# Altium PCB CAN_ESP.PcbDoc
Units mil, origin at the board's own origin, x right, y up, seen from the top; angles counter-clockwise.
Board outline 2933.07 x 1287.4 mil, 2 copper layers (Top Layer, Bottom Layer), stack 43.307 mil thick; 71 components, 69 nets, 346 pads, 0 vias.
Unrouted connection lines stored in the file: 208.
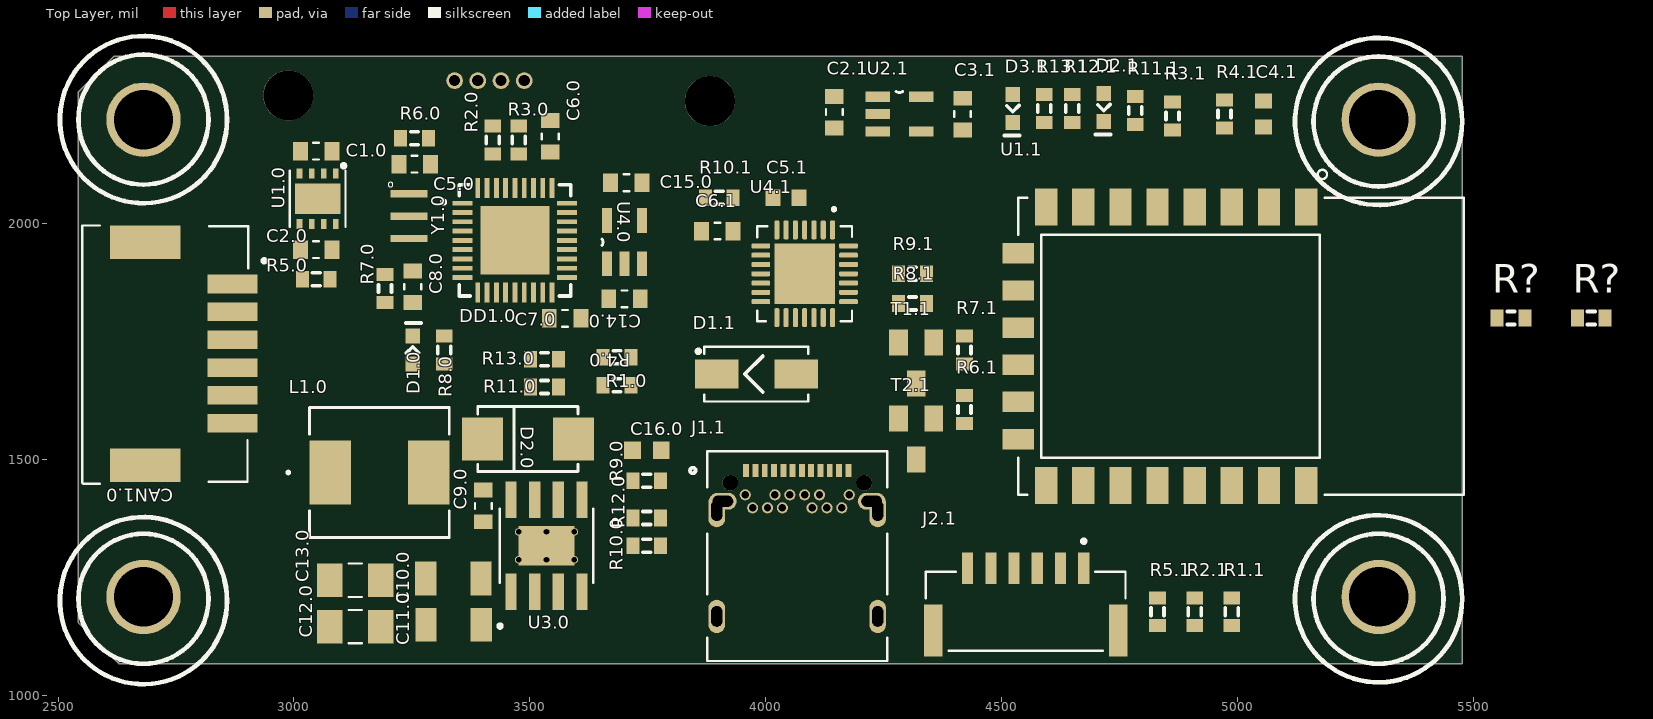
[diagram p0: Top Layer view]
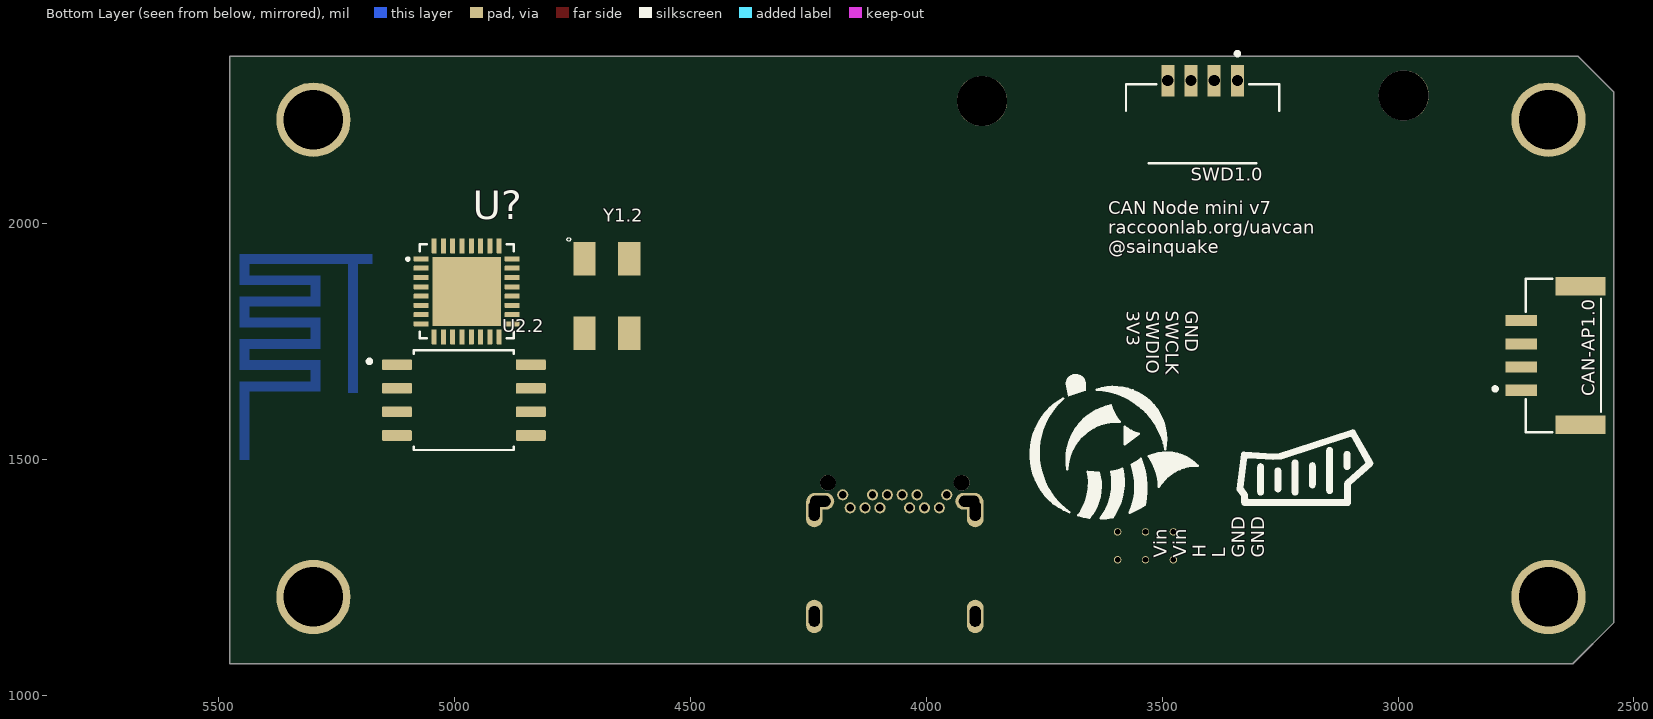
[diagram p1: Bottom Layer view, seen from below]

## Layer stack, top to bottom
Top Solder: solder mask 0.4, Solder Resist, Dk 3.5
Top Layer: signal copper 1.9685
Dielectric 1: dielectric 39.3701, FR-4, Dk 4.8
Bottom Layer: signal copper 1.9685
Bottom Solder: solder mask 0.4, Solder Resist, Dk 3.5

## Board outline
2543.31,1153.54 2543.31,2279.53 2618.11,2354.33 5476.38,2354.33 5476.38,1066.93 4334.65,1066.93 2629.92,1066.93

## Design rules (kind name [scope] priority, off if disabled: settings)
BoardOutlineClearance [All] p1: gap=9.84 ignorepadtopadclearanceinfootprint=FALSE
Clearance [All] p1: gap=6.69 ignorepadtopadclearanceinfootprint=FALSE
ComponentClearance [All] p1: gap=10 collisioncheckmode=3 verticalgap=100000 showdistances=FALSE
FanoutControl Fanout_SOIC [IsSOIC] p3: bgadir=Out bgaviamode=Closest fanoutstyle=Auto fanoutdirection=Alternating viagrid=1 // Fanout_SOIC (Default Rule)
FanoutControl Fanout_Small [(CompPinCount < 5)] p4: bgadir=Out bgaviamode=Closest fanoutstyle=Auto fanoutdirection=OutThenIn viagrid=1 // Fanout_Small (Default Rule)
FanoutControl Fanout_Default [All] p5: bgadir=In bgaviamode=Closest fanoutstyle=Auto fanoutdirection=Alternating viagrid=1 // Fanout_Default (Default Rule)
HoleSize [All] p1: absolutevalues=TRUE maxlimit=177.17 minlimit=11.81 maxpercent=80.000 minpercent=20.000
HoleToHoleClearance [All] p1: gap=15.75 allowstackedmicrovias=TRUE
MinimumSolderMaskSliver [All] p1: minsoldermaskwidth=5.91
PlaneClearance [All] p1: clearance=7.87
PlaneConnect [All] p1: planeconnectstyle=Relief reliefexpansion=19.68 reliefentries=4 reliefconductorwidth=7.87 reliefairgap=9.84
PolygonConnect PolygonConnect_1 [InNet('GND')] p1: connectstyle=Direct reliefconductorwidth=10 reliefentries=4 polygonreliefangle="90 Angle" airgapwidth=10
PolygonConnect [All] p2: connectstyle=Relief reliefconductorwidth=11.81 reliefentries=4 polygonreliefangle="90 Angle" airgapwidth=6.3
RoutingCorners [All] p1: cornerstyle=45-Degree minsetback=98.43 maxsetback=98.43
RoutingPriority [All] p1 off: routingpriority=0
RoutingVias [All] p1: holewidth=11.81 width=27.56 viastyle="Through Hole" minholewidth=11.81 minwidth=27.56 maxholewidth=31.5 maxwidth=47.24
SilkToSilkClearance [All] p1: silktosilkclearance=0
SilkToSolderMaskClearance [IsPad] p1: minsilkscreentomaskgap=0 clearancetoexposedcopper=TRUE
SolderMaskExpansion [All] p1: expansion=3.94
Width [All] p1: maxlimit=196.85 minlimit=6.69 preferedwidth=11.81
17 further rules are at their usual default settings.

## Classes and differential pairs
component class sESP: R? U1.2 U2.2 U? Y1.2
component class ESP8266: C2.1 C3.1 C4.1 C5.1 C6.1 D1.1 D2.1 D3.1 J1.1 J2.1 R1.1 R2.1 R3.1 R4.1 R5.1 R6.1 R7.1 R8.1 R9.1 R10.1 R11.1 R12.1 R13.1 T1.1 T2.1 U1.1 U2.1 U4.1
component class CAN_ESP: C1.0 C2.0 C5.0 C6.0 C7.0 C8 C8.0 C9 C9.0 C10.0 C11.0 C12.0 C13.0 C14.0 C15.0 C16.0 CAN1.0 CAN-AP1.0 D1.0 D2.0 DD1.0 L1.0 R1.0 R2.0 R3.0 R4.0 R5.0 R6.0 R7.0 R8.0 R9.0 R10.0 R11.0 R12.0 R13.0 SWD1.0 U1.0 U3 U3.0 U4.0 Y1.0

## Components (designator, comment, footprint, x,y, rotation, side; value= is the part's Value field where it differs from the comment)
C1.0 "GX035C104MAT2-500" *CAPC1608X90 3047.24,2153.54 r0 top value=0.1u
C2.0 "GX035C104MAT2-500" *CAPC1608X90 3047.24,1944.88 r0 top value=0.1u
C2.1 "GX035C104MAT2-500" *CAPC1608X90 4145.67,2236.22 r90 top value=0.1u
C3.1 "GX035C104MAT2-500" *CAPC1608X90 4417.32,2232.28 r270 top value=0.1u
C4.1 "Cap Semi" 1608[0603] 5055.12,2232.28 r90 top value=1u
C5.0 "GX035C104MAT2-500" *CAPC1608X90 3255.91,2125.98 r180 top value=0.1u
C5.1 "Cap Semi" 1608[0603] 4043.31,2055.12 r0 top value=1u
C6.0 "GX035C104MAT2-500" *CAPC1608X90 3543.31,2185.04 r270 top value=0.1u
C6.1 "GX035C104MAT2-500" *CAPC1608X90 3897.64,1984.25 r180 top value=0.1u
C7.0 "GX035C104MAT2-500" *CAPC1608X90 3574.8,1799.21 r180 top value=0.1u
C8.0 "GX035C104MAT2-500" *CAPC1608X90 3251.97,1866.14 r270 top value=0.1u
C9.0 "GX035C104MAT2-500" *CAPC1608X90 3401.57,1401.57 r270 top value=0.1u
C10.0 "GRM31CR71H225KA88L" *CAP3216X125N 3337.99,1248.03 r180 top value=2.2u
C11.0 "GRM31CR71H225KA88L" *CAP3216X125N 3338.58,1149.61 r180 top value=2.2u
C12.0 "GRM31CR61A476KE15L" *CAPC3216X125N 3129.92,1145.67 r180 top value=47u
C13.0 "GRM31CR61A476KE15L" *CAPC3216X125N 3129.92,1244.09 r180 top value=47u
C14.0 "GX035C104MAT2-500" *CAPC1608X90 3700.79,1840.43 r180 top value=0.1u
C15.0 "GX035C104MAT2-500" *CAPC1608X90 3704.72,2086.61 r0 top value=0.1u
C16.0 "GRM188R71C105KA12D" CAPC1608X90N 3748.03,1519.68 r180 top value=1u
CAN1.0 "502585-0670" MOLEX_502585-0670 2862.2,1724.41 r270 top
CAN-AP1.0 "SM04B-GHS-TB(LF)(SN)-" JST_SM04B-GHS-TB(LF)(SN)- 2649.61,1720.47 r90 bottom
D1.0 "0603-LED-BLUE" *LEDM1608X80_LTE-C1906R-14(Primary) 3251.97,1732.28 r270 top
D1.1 "SS16" *DIOM5227X250N_SS16(Primary) 3980.31,1681.1 r0 top
D2.0 "SK56" *SMB_P6SMB62AT3G(Primary) 3496.06,1543.31 r180 top
D2.1 "0603-LED-BLUE" *LEDM1608X80_LTE-C1906R-14(Primary) 4716.54,2246.06 r90 top
D3.1 "0603-LED-BLUE" *LEDM1608X80_LTE-C1906R-14(Primary) 4523.62,2244.09 r90 top
DD1.0 "STM32F103T8" *QFN50P600X600X100-37N 3468.5,1964.57 r0 top
J1.1 "UJ31-CH-31N-SMT-TR" CUI_UJ31-CH-31N-SMT-TR 3958.66,1476.77 r0 top
J2.1 "BM06B-GHS-TBT(LF)(SN)(N)" *JST_BM06B-GHS-TBT(LF)(SN)(N)_BM06B-GHS-TBT(LF)(SN)(N)(Primary) 4551.18,1137.8 r0 top
L1.0 "IHLP2525CZER8R2M01" *IND_IHLP_2525_CZ 3181.1,1472.44 r0 top value=8.2u
R1.0 "Res3" J1-0603 3685.04,1716.54 r0 top value=180k
R1.1 "Res3" J1-0603 4988.19,1177.17 r270 top value=10k
R2.0 "Res3" J1-0603 3421.26,2177.17 r90 top value=4.7k
R2.1 "Res3" J1-0603 4909.45,1177.17 r270 top value=10k
R3.0 "Res3" J1-0603 3476.38,2177.17 r90 top value=4.7k
R3.1 "Res3" J1-0603 4862.2,2228.35 r90 top value=10k
R4.0 "Res3" J1-0603 3685.04,1657.48 r180 top value=10k
R4.1 "Res3" J1-0603 4972.44,2232.28 r90 top value=10k
R5.0 "Res3" J1-0603 3047.24,1881.89 r0 top value=120
R5.1 "Res3" J1-0603 4830.71,1177.17 r270 top value=10k
R6.0 "RC0603FR-0710KL" J1-0603 3255.91,2181.1 r0 top value=10k
R6.1 "Res3" J1-0603 4421.26,1606.3 r270 top value=10k
R7.0 "RC0603FR-0710KL" J1-0603 3192.91,1862.2 r90 top value=10k
R7.1 "Res3" J1-0603 4421.26,1732.28 r90 top value=10k
R8.0 "Res3" J1-0603 3318.9,1732.28 r270 top value=330
R8.1 "Res3" J1-0603 4311.02,1830.71 r180 top value=330
R9.0 "Res3" J1-0603 3748.03,1454.72 r0 top value=56k
R9.1 "Res3" J1-0603 4311.02,1893.7 r180 top value=330
R10.0 "Res3" J1-0603 3748.03,1316.93 r180 top value=56k
R10.1 "Res3" J1-0603 3901.57,2055.12 r0 top value=4.7k
R11.0 "RC0603FR-0710KL" J1-0603 3531.5,1653.54 r0 top value=10k
R11.1 "Res3" J1-0603 4783.46,2240.16 r90 top value=330
R12.0 "RC0603FR-0710KL" J1-0603 3748.03,1375.98 r180 top value=10k
R12.1 "Res3" J1-0603 4649.61,2244.09 r90 top value=330
R13.0 "RC0603FR-0710KL" J1-0603 3531.5,1712.6 r180 top value=10k
R13.1 "Res3" J1-0603 4590.55,2244.09 r90 top value=330
R? "RC0603FR-0710KL" J1-0603 5750,1800 r0 top value=10k
R? "Res3" J1-0603 5580,1800 r0 top value=330
SWD1.0 "BM04B-GHS-TBT(LF)(SN)(N)" JST_BM04B-GHS-holes 3414.37,2171.26 r180 bottom
T1.1 "BC847" SOT23 4318.9,1704.72 r180 top
T2.1 "BC847" SOT23 4318.9,1543.31 r180 top
U1.0 "TJA1042" SOT782-1 3050.2,2052.66 r180 top
U1.1 "ESP8266-12E/ESP-12E" XCVR_ESP8266-12E/ESP-12E 4870.08,1740.16 r270 top
U2.1 "SPX3819M5-L-3-3/TR" *SOT95P280X145-5N 4283.46,2232.28 r0 top value=3V3
U2.2 "W25Q16BVSSIG" SOIC127P790X216-8N 4980.31,1625.98 r180 bottom
U3.0 "LMR16030SDDAR" "*SOIC127P600X170-9N - duplicate" 3535.43,1316.93 r90 top
U4.0 "SPX3819M5-L-3-3/TR" *SOT95P280X145-5N 3700.78,1960.63 r90 top value=3V3
U4.1 "CP2102N-A01-GQFN28" QFN50P500X500X80-29N 4082.68,1893.7 r270 top
U? "ESP8266EX" QFN50P500X500X80-33N 4974.41,1856.3 r180 bottom
Y1.0 "CSTCE8M00G55-R0" *OSC_CSTCE8M00G55-R0 3244.09,2015.75 r270 top
Y1.2 "ABM3B-8.000MHZ-B2-T" OSCSC500X320X110-4N 4677.17,1846.46 r180 bottom

## Footprints (in the part's own frame and the unit in brackets; to place one, negate y for a bottom-side part, rotate by r counter-clockwise, add the part's x,y. Pads: shape width x height; smd on the part's side, far side on the other; paste and mask are expansions set on the pad)
1608[0603] [mm] "Chip Capacitor, Body 1.6x0.8mm, IPC High Density"
  rect 0.8x0.9 smd: 1(-0.7,0) 2(0.7,0)
  body extent -0.87,-0.48 0.87,0.48, height 1.3
*CAP3216X125N [mm]
  rect 1.15x1.82 smd: 1(-1.485,0) 2(1.485,0)
  body extent -1.6,-0.8 1.6,0.8, height 1.22
*CAPC1608X90 [mm]
  rect 0.8x1 smd: 1(-0.85,0) 2(0.85,0)
  silkscreen extent -0.15,-0.45 0.15,0.45, body extent -0.8,-0.4 0.8,0.41, height 0.88
*CAPC3216X125N [mm]
  rect 1.38x1.82 smd: 1(-1.369,0) 2(1.369,0)
  silkscreen extent -0.36,-0.9 0.36,0.9, body extent -1.6,-0.87 1.6,0.87, height 1.71
*DIOM5227X250N_SS16(Primary) [mm]
  rect 2.33x1.56 smd: A(2.14,0) C(-2.14,0)
  silkscreen extent -3.22,-1.48 2.8,1.48, body extent -2.61,-1.35 2.61,1.25, height 2.2
*IND_IHLP_2525_CZ [mil]
  rect 88x135 smd: 1(-104.5,0) 2(104.5,0)
  silkscreen extent -196,-138 148,138, body extent -140,-130 140,130, height 118
*JST_BM06B-GHS-TBT(LF)(SN)(N)_BM06B-GHS-TBT(LF)(SN)(N)(Primary) [mm]
  rect 0.6x1.7 smd: 1(3.125,3.35) 2(1.875,3.35) 3(0.625,3.35) 4(-0.625,3.35) 5(-1.875,3.35) 6(-3.125,3.35)
  rect 1x2.8 smd: S1(-4.975,0) S2(4.975,0)
  silkscreen extent -5.38,-1.1 5.38,4.9, body extent -5.38,-1.1 5.38,3.85, height 3.88
*LEDM1608X80_LTE-C1906R-14(Primary) [mm]
  rect 0.8x0.8 smd: A(0.75,0) C(-0.75,0)
  silkscreen extent -1.45,-0.38 0.16,0.45, body extent -0.8,-0.3 0.8,0.3, height 1.15
*OSC_CSTCE8M00G55-R0 [mm]
  rect 0.4x2 smd: 1(-1.2,0) 2(0,0) 3(1.2,0)
  silkscreen extent -1.83,-1.13 -1.57,-0.87, body extent -1.6,-0.65 1.6,0.65, height 1
*QFN50P600X600X100-37N [mm]
  rect 1.08x0.26 smd: 1(-2.815,2) 2(-2.815,1.5) 3(-2.815,1) 4(-2.815,0.5) 5(-2.815,0) 6(-2.815,-0.5) 7(-2.815,-1) 8(-2.815,-1.5) 9(-2.815,-2) 19(2.815,-2) 20(2.815,-1.5) 21(2.815,-1) 22(2.815,-0.5) 23(2.815,0) 24(2.815,0.5) 25(2.815,1) 26(2.815,1.5) 27(2.815,2)
  rect 0.26x1.08 smd: 10(-2,-2.815) 11(-1.5,-2.815) 12(-1,-2.815) 13(-0.5,-2.815) 14(0,-2.815) 15(0.5,-2.815) 16(1,-2.815) 17(1.5,-2.815) 18(2,-2.815) 28(2,2.815) 29(1.5,2.815) 30(1,2.815) 31(0.5,2.815) 32(0,2.815) 33(-0.5,2.815) 34(-1,2.815) 35(-1.5,2.815) 36(-2,2.815)
  rect 3.7x3.7 smd: 37(0,0)
  silkscreen extent -3.97,-3 3,3, body extent -3,-3 3,3, height 1
*SMB_P6SMB62AT3G(Primary) [mm]
  rect 2.2x2.3 smd: A(-2.45,0) C(2.45,0)
  silkscreen extent -2.7,-1.75 2.7,1.75, body extent -2.72,-1.78 2.72,1.78, height 2.49
"*SOIC127P600X170-9N - duplicate" [mm]
  rect 1.97x0.6 smd: 1(-2.475,1.905) 2(-2.475,0.635) 3(-2.475,-0.635) 4(-2.475,-1.905) 5(2.475,-1.905) 6(2.475,-0.635) 7(2.475,0.635) 8(2.475,1.905)
  round 0.4 hole 0.3: 9(-0.75,1.5) 9(-0.75,0) 9(-0.75,-1.5) 9(0.75,1.5) 9(0.75,0) 9(0.75,-1.5)
  rect 2.13x3 smd: 9(0,0)
  silkscreen extent -4.42,-2.52 2,2.6, body extent -3,-2.45 3,2.45, height 1.69
*SOT95P280X145-5N [mil]
  rect 52x22 smd: 1(-46,37) 2(-46,0) 3(-46,-37) 4(46,-37) 5(46,37)
  silkscreen extent -7,46 7,48, body extent -55,-57 55,57, height 57
CAPC1608X90N [mm]
  rect 0.89x0.93 smd: 1(-0.77,0) 2(0.77,0)
  body extent -0.8,-0.4 0.8,0.4, height 0.9
CUI_UJ31-CH-31N-SMT-TR [mm]
  rect 0.32x0.7 smd: A1(0,0) A2(0.5,0) A3(1,0) A4(1.5,0) A5(2,0) A6(2.5,0) A7(3,0) A8(3.5,0) A9(4,0) A10(4.5,0) A11(5,0) A12(5.5,0)
  round 0.6 hole 0.4: B1(5.55,-1.31) B2(5.15,-2.01) B3(4.35,-2.01) B4(3.95,-1.31) B5(3.55,-2.01) B6(3.15,-1.31) B7(2.35,-1.31) B8(1.95,-2.01) B9(1.55,-1.31) B10(1.15,-2.01) B11(0.35,-2.01) B12(-0.05,-1.31)
  oval 1.5x0.9 hole 0.6 slot 1.1 at 0 deg: SH1(-1.255,-1.66) SH2(6.755,-1.66)
  oval 0.9x1.8 hole 0.6 slot 1.1 at 90 deg: SH3(-1.58,-2.16) SH4(7.08,-2.16) SH5(-1.58,-7.86) SH6(7.08,-7.86)
  round 0.85 hole 0.85 unplated: ""(-0.85,-0.66) ""(6.35,-0.66)
  silkscreen extent -3.02,-10.26 7.6,1.04, body extent -2.06,-10.26 7.64,1.04, height 3.17
J1-0603 [mm] "Chip Resistor, Body 1.6x0.8mm, IPC High Density"
  rect 0.7x0.9 smd: 1(-0.75,0) 2(0.75,0)
  silkscreen extent -0.2,-0.35 0.2,0.35, body extent -0.85,-0.48 0.85,0.48, height 0.9
JST_BM04B-GHS-holes [mm]
  rect 0.7x1.7 / inner rect 0.6x1.7 / far side round 0.9 hole 0.6: 1(1.875,3.35) 2(0.625,3.35) 3(-0.625,3.35) 4(-1.875,3.35)
  silkscreen extent -4.13,-1.1 4.13,4.9, body extent -4.12,-1.02 4.12,3.93, height 4.15
JST_SM04B-GHS-TB(LF)(SN)- [mm]
  rect 0.6x1.7 smd: 1(-1.875,2.275) 2(-0.625,2.275) 3(0.625,2.275) 4(1.875,2.275)
  rect 1x2.7 smd: SH1(-3.725,-0.925) SH2(3.725,-0.925)
  silkscreen extent -4.13,-2.02 4.13,3.77, body extent -4.06,-2.16 4.19,2.69, height 4.35
MOLEX_502585-0670 [mm]
  rect 1x2.7 smd: 1(-3.75,0.2) 2(-2.25,0.2) 3(-0.75,0.2) 4(0.75,0.2) 5(2.25,0.2) 6(3.75,0.2)
  rect 1.8x3.8 smd: P1(-6,-4.5) P2(6,-4.5)
  silkscreen extent -6.9,-7.9 7,2, body extent -6.65,-7.68 6.65,0.82, height 6.41
OSCSC500X320X110-4N [mm]
  rect 1.2x1.8 smd: 1(-1.2,2) 2(-1.2,-2) 3(1.2,-2) 4(1.2,2)
  silkscreen extent -2.15,2.95 -1.95,3.15, body extent -1.6,-1.25 1.6,1.25, height 1
QFN50P500X500X80-29N [mm]
  rrect50% 1.01x0.27 smd: 1(-2.36,1.5) 2(-2.36,1) 3(-2.36,0.5) 4(-2.36,0) 5(-2.36,-0.5) 6(-2.36,-1) 7(-2.36,-1.5) 15(2.36,-1.5) 16(2.36,-1) 17(2.36,-0.5) 18(2.36,0) 19(2.36,0.5) 20(2.36,1) 21(2.36,1.5)
  rrect50% 0.27x1.01 smd: 8(-1.5,-2.36) 9(-1,-2.36) 10(-0.5,-2.36) 11(0,-2.36) 12(0.5,-2.36) 13(1,-2.36) 14(1.5,-2.36) 22(1.5,2.36) 23(1,2.36) 24(0.5,2.36) 25(0,2.36) 26(-0.5,2.36) 27(-1,2.36) 28(-1.5,2.36)
  rect 3.25x3.25 smd paste-3: 29(0,0)
  silkscreen extent -3.55,-2.55 2.55,2.55, body extent -2.5,-2.5 2.5,2.5, height 0.38
QFN50P500X500X80-33N [mm]
  rrect15% 0.8x0.27 smd: 1(-2.45,1.75) 2(-2.45,1.25) 3(-2.45,0.75) 4(-2.45,0.25) 5(-2.45,-0.25) 6(-2.45,-0.75) 7(-2.45,-1.25) 8(-2.45,-1.75) 17(2.45,-1.75) 18(2.45,-1.25) 19(2.45,-0.75) 20(2.45,-0.25) 21(2.45,0.25) 22(2.45,0.75) 23(2.45,1.25) 24(2.45,1.75)
  rrect15% 0.27x0.8 smd: 9(-1.75,-2.45) 10(-1.25,-2.45) 11(-0.75,-2.45) 12(-0.25,-2.45) 13(0.25,-2.45) 14(0.75,-2.45) 15(1.25,-2.45) 16(1.75,-2.45) 25(1.75,2.45) 26(1.25,2.45) 27(0.75,2.45) 28(0.25,2.45) 29(-0.25,2.45) 30(-0.75,2.45) 31(-1.25,2.45) 32(-1.75,2.45)
  rect 3.7x3.7 smd paste-3: 33(0,0)
  silkscreen extent -3.24,-2.53 2.53,2.53, body extent -2.5,-2.5 2.5,2.5, height 0.9
SOIC127P790X216-8N [mm]
  rrect25% 1.61x0.58 smd: 1(-3.605,1.905) 2(-3.605,0.635) 3(-3.605,-0.635) 4(-3.605,-1.905) 5(3.605,-1.905) 6(3.605,-0.635) 7(3.605,0.635) 8(3.605,1.905)
  silkscreen extent -5.19,-2.69 2.69,2.69
SOT23 [mm]
  rect 1x1.4 smd: 1(-0.95,-1.1) 2(0.95,-1.1) 3(0,1.1)
  body extent -0.5,-0.3 0.5,0.3, height 0.45
SOT782-1 [mm]
  rect 0.3x0.525 smd: 1(-0.975,-1.362) 2(-0.325,-1.362) 3(0.325,-1.362) 4(0.975,-1.362) 5(0.975,1.362) 6(0.325,1.362) 7(-0.325,1.362) 8(-0.975,1.362)
  rect 2.45x1.65 smd paste-2: P$9(0,0)
  silkscreen extent -1.5,-1.88 1.5,1.5, body extent -1.52,-1.52 1.52,1.52, height 0.85
XCVR_ESP8266-12E/ESP-12E [mm]
  rect 2x1.2 smd: 1(-7.5,7) 2(-7.5,5) 3(-7.5,3) 4(-7.5,1) 5(-7.5,-1) 6(-7.5,-3) 7(-7.5,-5) 8(-7.5,-7) 15(7.5,-7) 16(7.5,-5) 17(7.5,-3) 18(7.5,-1) 19(7.5,1) 20(7.5,3) 21(7.5,5) 22(7.5,7)
  rect 1.1x1.7 smd: 9(-5,-8.5) 10(-3,-8.5) 11(-1,-8.5) 12(1,-8.5) 13(3,-8.5) 14(5,-8.5)
  silkscreen extent -9.5,-8.5 8,15.5, body extent -8,-8.7 8,15.3, height 3

## Part data
C1.0 C2.0 C2.1 C3.1 C5.0 C6.0 C6.1 C7.0 C8.0 C9.0 C14.0 C15.0: "Cap Thin Film 0.1uf 50v 0603", Package="0603 AVX", MF=AVX, Pacage Metric=1608, SnapEDA_Link=https://www.snapeda.com/parts/GX035C104MAT2-500/AVX/view-part/?ref=snap, Type=SMD
  C1.0 C2.0 C5.0 C6.0 C6.1 C7.0 C8.0 C9.0: MP="GX035C104MAT2-500 or CL10B104JB8NNNC"
  C2.1 C3.1 C14.0 C15.0: MP=GX035C104MAT2-500
C4.1 C5.1: "Capacitor (Semiconductor SIM Model)", LatestRevisionDate=29-May-2009, LatestRevisionNote="IPC-7351 Footprint Added.", PackageDescription="Chip Capacitor", PackageReference=C1206, Published=8-Jun-2000, Publisher="Altium Limited"
C10.0 C11.0: "1206 2.2 uF 50 V ±10% Tolerance X7R SMT Multilayer Ceramic Capacitor", Package="1206 Murata", MF="Murata Electronics", MP=GRM31CR71H225KA88L, SnapEDA_Link=https://www.snapeda.com/parts/GRM31CR71H225KA88L/Murata%20Electronics%20North%20America/view-part/?ref=snap, Type=SMD
C12.0 C13.0: "Multilayer Ceramic Capacitor, GRM Series, 47 - F, - 10%, X5R, 10 V, 1206 [3216 Metric]", Package="1206 Murata Electronics", MF="Murata Electronics", MP=GRM31CR61A476KE15L, SnapEDA_Link=https://www.snapeda.com/parts/GRM31CR61A476KE15L/Murata%20Electronics%20North%20America/view-part/?ref=snap, Type=SMD
C16.0: "SMD Capacitor X7R(EIA) with Capacitance: 1.0uF Tol. 10%. Rated Voltage: 16Vdc", Package=0603, ChipDip_Link=https://www.chipdip.ru/product/grm188r71c105ka12d, HelpURL=https://static.chipdip.ru/lib/428/DOC005428493.pdf, MF="Murata Electronics", MP=GRM188R71C105KA12D, Pacage Metric=1608, SnapEDA_Link=https://www.snapeda.com/parts/GRM188R71C105KA12D/Murata%20Electronics%20North%20America/view-part/228340/?ref=snap, Type=SMD
CAN1.0: "1.50mm Pitch, CLIK-Mate PCB Receptacle, Single Row, Surface Mount, Right-Angle, Tin Plating, Positive Lock, 6 Circuits, Natural", Package=None, MF=Molex, MP=502585-0670, SnapEDA_Link=https://www.snapeda.com/parts/502494-0670/Molex/view-part/?ref=snap, System=Connector, Type=SMD
CAN-AP1.0: "Connector Header Surface Mount, Right Angle 4 position 0.049 _1.25mm_", Package=None, ChipDip_Link=https://www.chipdip.ru/product/sm04b-ghs-tb-lf-sn-gh-1.25mm-header-side-ent, HelpURL=http://www.farnell.com/datasheets/2082975.pdf, MF="JST Sales", MP=SM04B-GHS-TB(LF)(SN), SnapEDA_Link=https://www.snapeda.com/parts/SM04B-GHS-TB%28LF%29%28SN%29-/JST%20Sales%20America%20Inc./view-part/2759740/?ref=snap, System=Connector
D1.0 D2.1 D3.1: library part LTE-C1906R-14, "LED IrLED Chip LED 2-Pin SMD T/R", Package="0603 Lite-On", MP=0603-LED-BLUE, SnapEDA_Link=https://www.snapeda.com/parts/LTE-C1906R-14/Lite-On%20Inc./view-part/?ref=snap, Type=SMD
D1.1: "Diode Schottky 60V 1A Surface Mount SMA", Package=SMA-2, ChipDip_Link=https://www.chipdip.ru/product/ss16, MP=SS16, SnapEDA_Link=https://www.snapeda.com/parts/SS16/ON%20Semiconductor/view-part/?ref=search&t=ss16, Type=SMD
D2.0: "Диод Шоттки 5А 60В [SMB / DO-214AA]", Package="DO-214 Littelfuse", ChipDip_Link=https://www.chipdip.ru/product/sk56, MF="Littelfuse Inc.", MP=SK56, SnapEDA_Link=https://www.snapeda.com/parts/P6SMB62AT3G/Littelfuse%20Inc./view-part/?ref=snap, Type=SMD
DD1.0: "STM32F103T8U6, Микроконтроллер 32BIT ARM 64K FLASH [VFQFPN-36]", Package=VFQFPN-36, ChipDip_Link=https://www.chipdip.ru/product/stm32f103t8u6-2, HelpURL=http://www.st.com/stonline/products/literature/ds/13587.pdf, MF=STM, MP=STM32F103T8U6, SnapEDA_Link=https://www.snapeda.com/parts/STM32F103T8U6TR/STMicroelectronics/view-part/?ref=search&t=STM32F103T8U6, Type=SMD
J1.1: "Type C, USB 3.1 Gen 2, 5 A, Right Angle, Surface Mount _SMT_, USB Receptacle", Package=None, Availability=Unavailable, ChipDip_Link=https://www.chipdip.ru/product1/8002862225, HelpURL=https://www.chipdip.ru/product1/8002862225, MF="CUI Devices", MP=UJ31-CH-31N-SMT-TR, Price=None, SnapEDA_Link=https://www.snapeda.com/parts/UJ31-CH-31N-SMT-TR/CUI%20Devices/view-part/2776725/?ref=snap
J2.1: "Conn Header Gh Top 6pos 1.25mm", Package=None, Availability=Unavailable, MF="JST Sales", MP=BM06B-GHS-TBT_LF__SN__N_, Price=None, SnapEDA_Link=https://www.snapeda.com/parts/BM06B-GHS-TBT%28LF%29%28SN%29%28N%29/JST%20Sales%20America%20Inc./view-part/?ref=snap
L1.0: "IHLP2525CZER8R2M01, 8.2uH 4A 20% Low Profile High Current SMT Inductor, Индуктивность", Package="Nonstandard Vishay", Availability=Unavailable, MF="Vishay Dale", MP=IHLP2525CZER8R2M01, Price=None, SnapEDA_Link=https://www.snapeda.com/parts/IHLP2525CZER100M01/Vishay%20Dale/view-part/?ref=snap
R1.0 R1.1 R2.0 R2.1 R3.0 R3.1 R4.0 R4.1 R5.1 R6.1 R7.1 R8.0 R8.1 R9.0 R9.1 R10.0 R10.1 R11.1 R12.1 R13.1 R?: "Resistor", Package=R0603, Pacage Metric=1608, Type=SMD
  R1.0: MP="180K 1% 0603"
  R1.1 R2.1 R3.1 R4.0 R4.1 R5.1 R6.1 R7.1: ChipDip_Link=https://www.chipdip.ru/product0/9000079736, HelpURL=https://www.chipdip.ru/product0/9000079736, MP="10K 1% 0603"
  R2.0 R3.0 R10.1: ChipDip_Link=https://www.chipdip.ru/product0/9000079736, HelpURL=https://www.chipdip.ru/product0/9000079736, MP="4.7K 1% 0603"
  R8.0 R8.1 R9.1 R11.1 R12.1 R13.1 R?: ChipDip_Link=https://www.chipdip.ru/product0/9000079628, HelpURL=https://www.chipdip.ru/product0/9000079628, MP=RC0603FR-07330RL
  R9.0 R10.0: ChipDip_Link=https://www.chipdip.ru/product0/9000079754, HelpURL=https://www.chipdip.ru/product0/9000079754, MP=RC0603FR-0756KL
R5.0: "120 Ohms 1 0.1 W 1 10 W Chip Resistor 0603 1608 Metric Thick Film", Package=R0603, ChipDip_Link=https://www.chipdip.ru/product0/9000079618, HelpURL=https://www.chipdip.ru/product0/9000079618, MP=RC0603FR-07120RL, Pacage Metric=1608, Type=SMD
R6.0 R7.0 R11.0 R12.0 R13.0 R?: "10 kOhms 1 0.1 W 1 10 W Chip Resistor 0603 1608 Metric Thick Film", Package=R0603, ChipDip_Link=https://www.chipdip.ru/product0/9000079736, HelpURL=https://www.chipdip.ru/product0/9000079736, MF="Yageo or NXP", MP="10K 1% 0603", Pacage Metric=1608, SnapEDA_Link=https://www.snapeda.com/parts/RC0603FR-0710KL/Yageo/view-part/?ref=dk&t=RC0603FR-0710KL&con_ref=None, Type=SMD
SWD1.0: "Conn Shrouded Header HDR 4 POS 1.25mm Solder ST SMD Reel", Package=None, Instructions="Do not install", MF="JST Sales", MP=SM04B-GHS-TB(LF)(SN), SnapEDA_Link=https://www.snapeda.com/parts/BM04B-GHS-TBT%28LF%29%28SN%29%28N%29/JST%20Sales%20America%20Inc./view-part/?ref=snap, System=Connector, Type=SMD
T1.1 T2.1: "<b>NPN TRANSISTOR</b>", Package=None, Availability=Unavailable, MF="{'manufacturer': u'Rectron'}", MP=BC847, Price=None
U1.0: "1/1 Transceiver Half CANbus 8-SO", Package="VDFN-8 NXP USA", ChipDip_Link=https://www.chipdip.ru/product1/8002840332, HelpURL=https://static.chipdip.ru/lib/583/DOC001583059.pdf, MF="NXP USA", MP=TJA1042, SnapEDA_Link=https://www.snapeda.com/parts/TJA1042/NXP%20USA%20Inc./view-part/900919/?ref=snap, Type=SMD
U1.1: "ESP-12E WiFi Module", Package=None, Availability=Unavailable, MF="{'manufacturer': u'AI-Thinker'}", MP=ESP8266-12E/ESP-12E, Price=None
U2.1 U4.0: library part SPX3819M5-L, "Low Dropout Voltage Regulator, Adjustable 0.5A, ±1%, 2.5 to 16 Vin, 5-Pin SOT-23", Package="SOT-23-5 Exar", ChipDip_Link=https://www.chipdip.ru/product1/8003455237, HelpURL=http://www.farnell.com/datasheets/2614478.pdf, MF="MaxLinear, Inc.", MP=SPX3819M5-L-3-3/TR, SnapEDA_Link=https://www.snapeda.com/parts/SPX3819M5-L/MaxLinear%2C%20Inc./view-part/?ref=snap, Type=SMD
U2.2: "Flash, pin, soic, flash, Memory, Semiconductors and Actives, serial, ic", Package=None, Availability=Unavailable, MF="{'manufacturer': u'Winbond'}", MP=W25Q16BVSSIG, Price=None
U3.0: "LMR16030SDDAR, Conv DC-DC 4.3V to 60V Step Down Single-Out 1V to 50V 3A Automotive 8-Pin HSOP EP T/R", Package="PowerSOIC-8 Texas Instruments", ChipDip_Link=https://www.chipdip.ru/product1/8003448566, HelpURL=https://www.ti.com/lit/ds/symlink/lmr16030.pdf, MF="Texas Instruments", MP=LMR16030SDDAR, SnapEDA_Link=https://www.snapeda.com/parts/TPS54560DDA/Texas%20Instruments/view-part/?ref=snap, Type=SMD
U4.1: "Ic Bridge Usb To Uart 28qfn", Package=None, Availability=Unavailable, MF="{'manufacturer': u'Silicon Labs'}", MP=CP2102N-A01-GQFN28, Price=None
U?: "IC RF TxRx + MCU WiFi 802.11b/g/n 2.4GHz 32-VFQFN Exposed Pad", Package="VFQFN-32 Espressif Systems", Availability=Warning, Check_prices=https://www.snapeda.com/parts/ESP8266EX/Espressif%20Systems/view-part/555861/?ref=eda, MF="Espressif Systems", MP=ESP8266EX, Price=None, Purchase-URL=https://pricing.snapeda.com/search/part/ESP8266EX/?ref=eda, SnapEDA_Link=https://www.snapeda.com/parts/ESP8266EX/Espressif%20Systems/view-part/555861/?ref=snap
Y1.0: "Ceramic Resonator 8MHz ??0.5% _Tol_ ??0.2% _Stability_ 33pF 40Ohm 3-Pin CSMD T/R", Package="SMD-3 Murata", ChipDip_Link=https://www.chipdip.ru/product1/8001783721, HelpURL=https://www.murata.com/en-eu/api/pdfdownloadapi?cate=&partno=CSTCE8M00G55-R0, MF=Murata, MP=CSTCE8M00G55-R0, SnapEDA_Link=https://www.snapeda.com/parts/CSTCE8M00G55-R0/Murata%20Electronics%20North%20America/view-part/?ref=snap, Type=SMD
Y1.2: "Crystal 8MHz ±20ppm (Tol) ±50ppm (Stability) 18pF FUND 200Ohm 4-Pin CSMD T/R", Package=None, Availability=Unavailable, MF="{'manufacturer': u'Abracon'}", MP=ABM3B-8.000MHZ-B2-T, Price=None

## Free pads (board coordinates)
  round 157.48 hole 125.98: ""(2681.1,1208.66) ""(2681.1,2220.47) ""(5299.21,1208.66) ""(5299.21,2220.47)
  round 106.3 hole 106.3: ""(2988.19,2271.65) ""(3881.89,2259.84)

## Nets (pads, with @x,y where several pads share a name; then routed paths per layer and width w, separated by ;. In a path a pad name is that pad's centre, name@x,y a point inside that pad or via, vN(x,y) a via of type N, cw(c..) or ccw(c..) an arc to the next point about the centre after c; other vN are vias at no path point)
3.3: C2.0.1 C5.0.1 C6.0.1 C7.0.1 C8.0.1 C15.0.1 DD1.0.1 DD1.0.6 DD1.0.19 DD1.0.27 R2.0.2 R3.0.2 R7.0.1 SWD1.0.4 U1.0.5 U4.0.5
3.3ESP: C3.1.1 C5.1.1 C6.1.1 R1.1.2 R2.1.2 R3.1.2 R4.1.2 R11.1.2 U1.1.8 U2.1.5 U4.1.6 U?.1 U?.3 U?.4 U?.11 U?.17 U?.29 U?.30
5V: C1.0.1 C2.1.1 C12.0.2 C13.0.2 C14.0.1 CAN-AP1.0.1 D1.1.C L1.0.1 R9.0.2 R11.0.2 U1.0.3 U2.1.1 U2.1.3 U4.0.1 U4.0.3
ADC: U1.1.2 U?.6
ADC_5V: DD1.0.14 R11.0.1 R13.0.2
ADC_VIN: DD1.0.12 R1.0.1 R4.0.2
ANT: U?.2
BOOT0: DD1.0.35 R6.0.2
CAN_H: CAN1.0.3 CAN-AP1.0.2 R5.0.2 U1.0.7
CAN_L: CAN1.0.4 CAN-AP1.0.3 R5.0.1 U1.0.6
CAN_RXD: DD1.0.23 U1.0.4
CAN_TXD: DD1.0.24 U1.0.1
CS0: DD1.0.29 U1.1.9
D+: J1.1.A6 J1.1.B6 U4.1.4
D-: J1.1.A7 J1.1.B7 U4.1.5
EN: DD1.0.20 R3.1.1 U1.1.3 U?.7
FB: R9.0.1 R12.0.2 U3.0.5
GND: C1.0.2 C2.0.2 C2.1.2 C3.1.2 C4.1.2 C5.0.2 C5.1.2 C6.0.2 C6.1.2 C7.0.2 C8.0.2 C10.0.2 C11.0.2 C12.0.1 C13.0.1 C14.0.2 C15.0.2 C16.0.1 CAN1.0.5 CAN1.0.6 CAN1.0.P1 CAN1.0.P2 CAN-AP1.0.4 CAN-AP1.0.SH1 CAN-AP1.0.SH2 D1.0.C D2.0.A D3.1.C DD1.0.5 DD1.0.17 DD1.0.18 DD1.0.26 DD1.0.36 J1.1.A1 J1.1.A12 J1.1.B1 J1.1.B12 J1.1.SH1 J1.1.SH2 J1.1.SH3 J1.1.SH4 J1.1.SH5 J1.1.SH6 J2.1.6 J2.1.S1 J2.1.S2 R4.0.1 R5.1.2 R6.0.1 R10.0.1 R12.0.1 R12.1.2 R13.0.1 R?.2@5779.53,1800 SWD1.0.1 U1.0.2 U1.0.8 U1.1.15 U2.1.2 U3.0.7 U3.0.9 U4.0.2 U4.1.3 U4.1.29 U?.33 Y1.0.2 Y1.2.2 Y1.2.4
GPIO0: J2.1.4 R1.1.1 T1.1.3 U1.1.18 U?.15
GPIO2: R2.1.1 R13.1.1 U1.1.17 U?.14
GPIO4: U1.1.19 U?.16
GPIO5: U1.1.20 U?.24
GPIO9: U1.1.11
GPIO10: U1.1.12
GPIO12: U1.1.6 U?.10
GPIO13: U1.1.7 U?.12
GPIO14: U1.1.5
GPIO15: R5.1.1 U1.1.16 U?.13
GPIO16: D2.1.C R12.1.1 U1.1.4
LED1: DD1.0.11 R8.0.1
MISO: DD1.0.31 U1.1.10
MOSI: DD1.0.32 U1.1.13
nDTR: R6.1.1 T1.1.2 U4.1.28
NetC9.0_1: C9.0.1 D2.0.C L1.0.2 U3.0.8
NetC9.0_2: C9.0.2 U3.0.1
NetC16.0_2: C16.0.2 U3.0.6
NetD1.0_A: D1.0.A R8.0.2
NetD2.1_A: D2.1.A R11.1.1
NetD3.1_A: D3.1.A R13.1.2
NetDD1.0_2: DD1.0.2 Y1.0.1
NetDD1.0_3: DD1.0.3 Y1.0.3
NetR6.1_2: R6.1.2 T2.1.1
NetR7.1_2: R7.1.2 T1.1.1
NetR8.1_2: R8.1.2 U4.1.25
NetR9.1_2: R9.1.2 U4.1.26
NetR10.0_2: R10.0.2 U3.0.4
NetR10.1_1: R10.1.1 U4.1.9
NetR?_1: R?.1@5720.47,1800 U?.31
NetU?_28: U?.28 Y1.2.1
NRST: C4.1.1 R4.1.1 T2.1.3 U1.1.1 U?.32
nRTS: J2.1.5 R7.1.1 T2.1.2 U4.1.24
PWM1: DD1.0.7
PWM2: DD1.0.8
PWM3: DD1.0.9
PWM4: DD1.0.10
RXD0: DD1.0.21 J2.1.2 R9.1.1 U1.1.21 U?.25
SCL/A2: DD1.0.33 R3.0.1
SCLK: DD1.0.30 U1.1.14
SDA/A1: DD1.0.34 R2.0.1
STM_NRST: DD1.0.4 R7.0.2
SWDIO: DD1.0.25 SWD1.0.3
SWLK: DD1.0.28 SWD1.0.2
T3CH1/ADC6: DD1.0.13
T3CH3/ADC8: DD1.0.15
T3CH4/ADC9: DD1.0.16
TXD0: DD1.0.22 J2.1.3 R8.1.1 U1.1.22 U?.26
VBUS: D1.1.A J1.1.A4 J1.1.A9 J1.1.B4 J1.1.B9 J2.1.1 R10.1.2 U4.1.7 U4.1.8
Vin: C10.0.1 C11.0.1 CAN1.0.1 CAN1.0.2 R1.0.2 U3.0.2
XTAL_OUT: U?.27 Y1.2.3
pads on no net: DD1.0.37 J1.1. J1.1.A2 J1.1.A3 J1.1.A5 J1.1.A8 J1.1.A10 J1.1.A11 J1.1.B2 J1.1.B3 J1.1.B5 J1.1.B8 J1.1.B10 J1.1.B11 R?.1@5550.47,1800 R?.2@5609.53,1800 U1.0.P$9 U2.1.4 U2.2.1 U2.2.2 U2.2.3 U2.2.4 U2.2.5 U2.2.6 U2.2.7 U2.2.8 U3.0.3 U4.0.4 U4.1.1 U4.1.2 U4.1.10 U4.1.11 U4.1.12 U4.1.13 U4.1.14 U4.1.15 U4.1.16 U4.1.17 U4.1.18 U4.1.19 U4.1.20 U4.1.21 U4.1.22 U4.1.23 U4.1.27 U?.5 U?.8 U?.9 U?.18 U?.19 U?.20 U?.21 U?.22 U?.23

## Polygon pours and split planes (outlines as drawn)
ANT on Bottom Layer "ANT_L02_P014" (solid, pour order 14): 5455,1935 5455,1870 5305,1870 5305,1845 5455,1845 5455,1780 5305,1780 5305,1755 5455,1755 5455,1690 5305,1690 5305,1665 5455,1665 5455,1500 5435,1500 5435,1645 5285,1645 5285,1710 5435,1710 5435,1735 5285,1735 5285,1800 5435,1800 5435,1825 5285,1825 5285,1890 5435,1890 5435,1915 5225,1915 5225,1642 5205,1642 5205,1915 5175,1915 5175,1935
no net on Bottom Layer "Bottom Layer-No Net 6" (solid, pour order 12): -143.7,349.41

## Silkscreen, mask and mechanical layers (free items; w line width, h text height)
Top Overlay:
  circle w10: c5299.21,2216.54 r177.17
  circle w10: c2681.1,2220.47 r177.17
  circle w10: c2681.1,1200.79 r177.17
  circle w10: c5299.21,1204.72 r177.17
  circle w10: c5299.21,1204.72 r137.8
  circle w10: c5299.21,2216.54 r137.8
  circle w10: c2681.1,2220.47 r137.8
  circle w10: c2681.1,1204.72 r137.8
Bottom Overlay:
  drawing of 47 lines, arcs and shapes, not listed
  text "CAN Node mini v7 / raccoonlab.org/uavcan / @sainquake" at 3614.17,1937.01 h27.56
  text "GND / SWCLK / SWDIO / 3V3" at 3574.8,1814.96 h27.56 r90
  text "Vin / Vin / H / L / GND / GND" at 3283.46,1291.34 h27.56 r270
Mechanical 2:
  lines w7.87: 2543.31,1153.54 2543.31,2279.53 2618.11,2354.33 3240.16,2354.33 4255.91,2354.33 5476.38,2354.33 5476.38,1066.93 4334.65,1066.93 2629.92,1066.93 2543.31,1153.54

## Text inside footprints (layer, text, board x,y; h text height)
J1.1: Mechanical 13 "PCB EDGE" at 4264.34,1034.62 h27.56